# Altium PCB RHX-NYFK-PCB11V1.01.PcbDoc (continued)
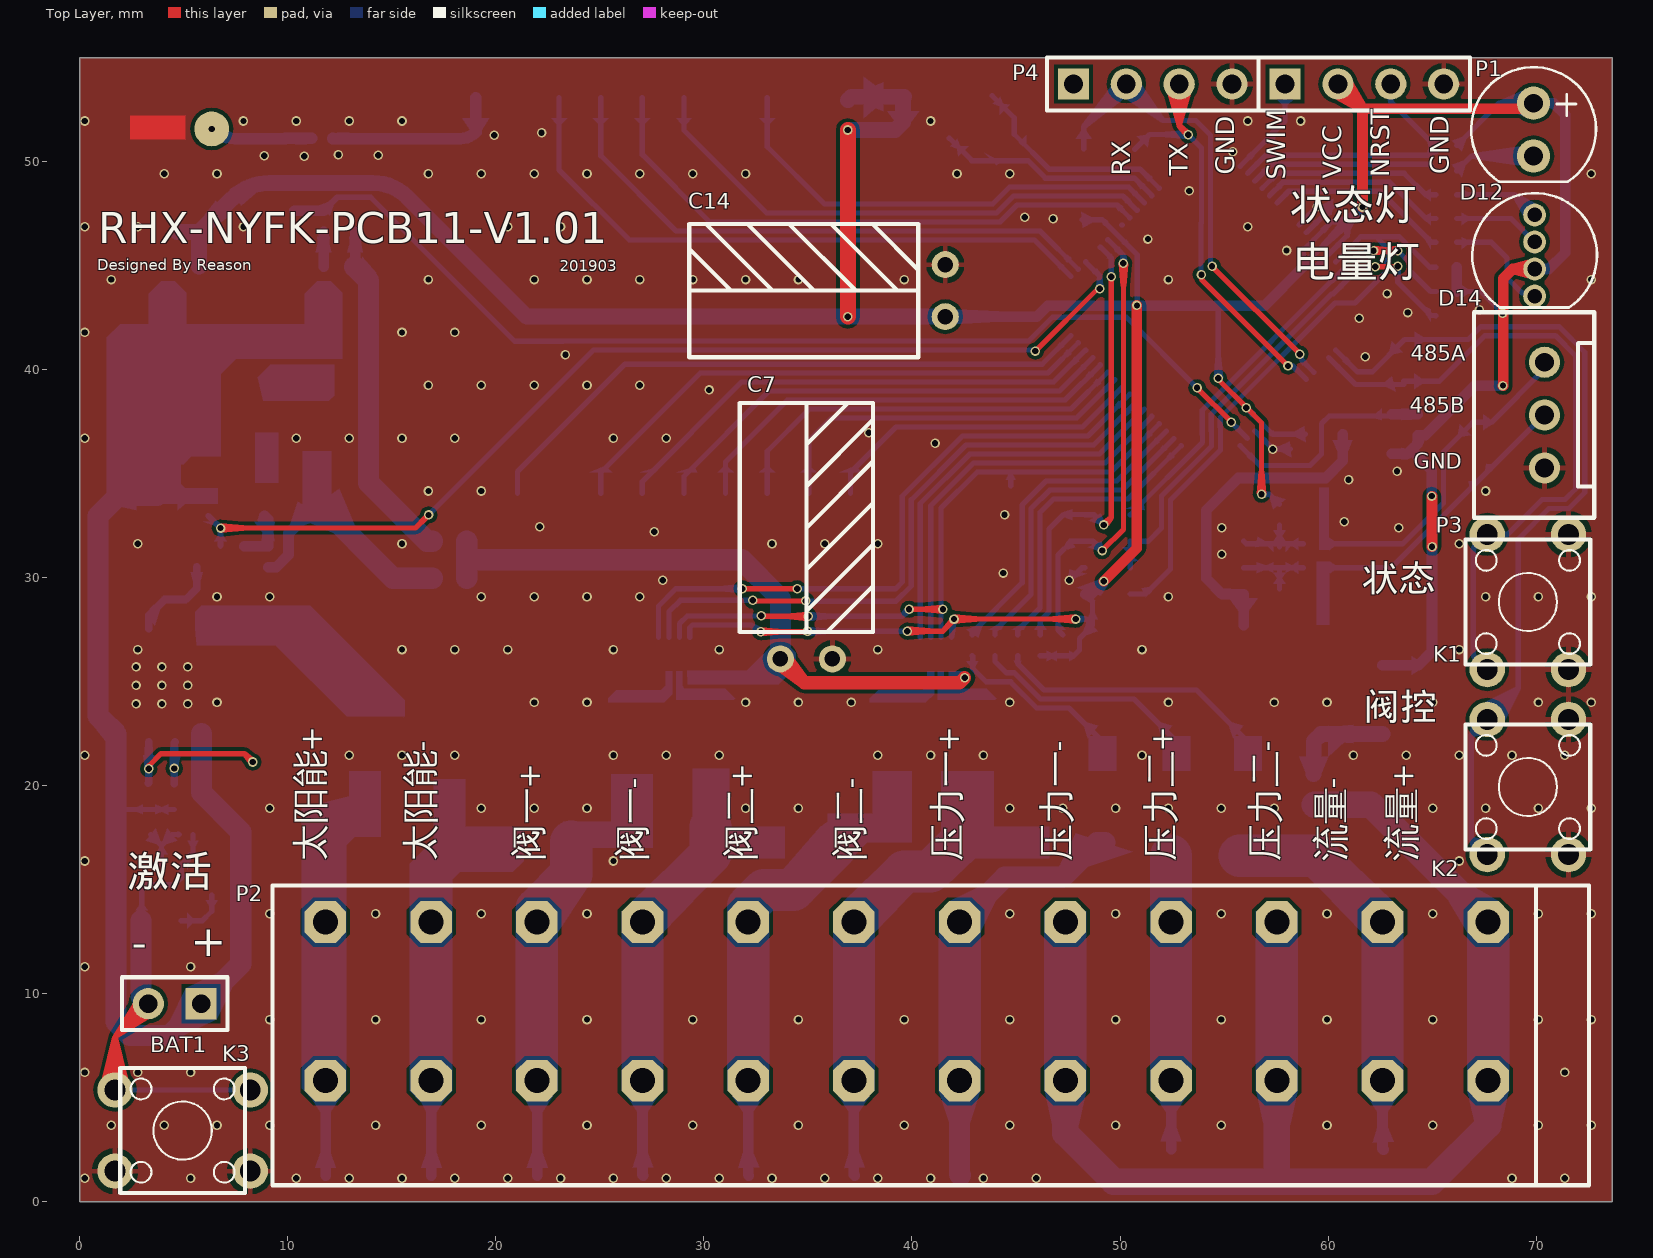
[diagram p0: Top Layer view]
## Footprints (in the part's own frame and the unit in brackets; to place one, negate y for a bottom-side part, rotate by r counter-clockwise, add the part's x,y. Pads: shape width x height; smd on the part's side, far side on the other; paste and mask are expansions set on the pad) (continued)
  rect 1x0.6 smd: 1(-1.35,0.95) 2(-1.35,0) 3(-1.35,-0.95) 4(1.35,-0.95) 5(1.35,0) 6(1.35,0.95)
  silkscreen extent -2.15,-1.5 0.45,2, body extent -1.5,-1.5 1.5,1.5, height 1.3
SOT89_3P_1R5_2R5X4R5 [mm]
  rect 0.75x1.4 smd: 1(-1.5,-2) 2(0,-2) 3(1.5,-2)
  rect 1.8x1.4 smd: 2(0,1.4)
  Top Layer region: -0.9,1.1 -0.9,-0.7 -0.3,-1.3 0.35,-1.3 0.9,-0.75 0.9,1.2
  silkscreen extent -2.3,-1.3 2.3,1.3, body extent -2.35,-2.83 2.35,2.1, height 1.7
TDFN_8P_0R5_2R0X2R0_P [mm]
  rect 0.65x0.25 smd: 1(-0.975,0.75) 2(-0.975,0.25) 3(-0.975,-0.25) 4(-0.975,-0.75) 5(0.975,-0.75) 6(0.975,-0.25) 7(0.975,0.25) 8(0.975,0.75)
  rect 0.6x1.2 smd: 9(0,0)
  silkscreen extent -1.55,-1 1,1.35, body extent -1.08,-1.01 1.02,0.99, height 1.04
TP_D1R25 [mm]
  round 1.25 smd paste-1.25: 1(0,0)
  silkscreen extent -0.8,-0.81 0.81,0.81, body extent -0.8,-0.8 0.8,0.8, height 0.01

## Part data
BAT1: library part BAT
C1 C2 C3 C4 C5 C6 C8 C9 C10 C11 C12 C13 C15 C16 C17: library part 无极性电容, "无极性电容"
C7 C14: library part 极性电容
D1: library part 普通二极管
D2 D3 D4 D5 D6 D7 D8 D9 D10 D11 D13 D15 D16: library part 双向TVS管
D12: library part 单LED
D17 D18: library part 1.2.08.07.0014, "TVS管-SMBJ6.5CA-53.6A-单路-6.5Vrwm-8.3V"
F1 F2 F3 F4 F5 F6 F7 F8 F9 F10: library part PPTC
K1 K2 K3: library part SKRWAEE030
L1: library part 普通电感
P1 P3 P4: library part "Header 4", "Header, 4-Pin"
P2: "Header"
Q1: library part P-MOS, "P-MOS"
R1 R2 R3 R10 R13 R16 R17 R18 R19 R20 R21 R26 R29: library part 1.2.03.01.0573, "电阻-4.7R"
R4 R5 R6 R7 R8 R9 R11 R12 R14 R15 R22 R24 R25 R27 R28 R30 R31 R33 R34 R35 R36: library part 1.2.03.01.0012, "电阻-10K"
R23 R32: library part 1.2.03.01.0366, "电阻-4.7K"
TP1 TP2 TP3 TP4 TP5 TP6 TP7 TP8 TP9 TP10 TP11 TP12 TP13 TP14 TP15 TP16 TP17 TP18 TP19 TP20 TP21 TP22 TP23 TP24 TP25 TP26 TP27 TP28: library part Test_Point
U2: library part SY7152
U7: library part 1.2.18.01.0001, "MCU_STM8L052R8_16MHz_Flash/64Kb_RAM/4Kb_8λ_E2PROM/256B_"
U9: library part 24CXX
U10: library part 1.2.18.09.0173, "RS485收发器-SP3485EN-支持485收发-SOP8"
Y1: library part 两脚晶体谐振器

## Free pads (board coordinates)
  round 1.676 hole 0.3: 2(6.35,51.562)

## Via types
v1: diameter 0.457, hole 0.305, Top Layer to Bottom Layer, tented both sides, 279 vias
v2: diameter 0.457, hole 0.305, Top Layer to Bottom Layer, 9 vias

## Nets (pads, with @x,y where several pads share a name; then routed paths per layer and width w, separated by ;. In a path a pad name is that pad's centre, name@x,y a point inside that pad or via, vN(x,y) a via of type N, cw(c..) or ccw(c..) an arc to the next point about the centre after c; other vN are vias at no path point)
ADC: R24.2 R25.1 U7.31 | length 51.8
  Top Layer w0.254: v1(53.7,39.12) 55.35,37.47 v1(55.35,37.46)
  Bottom Layer w0.254: R24.2 12.378,48.281 13.989,48.281 20.915,41.356 23.237,41.356 23.253,41.371 45.611,41.371 46.75,42.51 50.31,42.51 v1(53.7,39.12) ; v1(55.35,37.46) 55.353,37.46 U7.31
  Bottom Layer w0.508: R25.1 R24.2
CHG: R15.1 TP1.1 U3.7 | length 7.5
  Top Layer w0.254: v1(3.325,20.81) 3.325,20.955 3.91,21.54 7.92,21.54 v1(8.32,21.14)
  Bottom Layer w0.381: 3.3,20.12 3.325,20.145 v1(3.325,20.81) U3.7
CHG_DONE: R14.1 U3.6 | length 2
  Bottom Layer w0.381: R14.1@4.55,20.11 v1(4.55,20.83) 4.55,22.05 U3.6
DIO0: M1.14 U7.50 | length 28
  Bottom Layer w0.254: M1.14 25.043,50.277 28.665,46.655 46.158,46.655 U7.50
DIO1: M1.15 U7.57 | length 28.1
  Bottom Layer w0.254: M1.15 27.043,50.327 30.284,47.086 44.238,47.086 45.054,47.903 49.86,47.903 U7.57
DIO2: M1.16 U7.58 | length 25.6
  Bottom Layer w0.254: M1.16 29.043,51.497 33.022,47.518 44.059,47.518 44.875,48.335 50.135,48.335 U7.58
DIO3: M1.1 U7.41 | length 15.8
  Bottom Layer w0.254: M1.1 37.043,35.043 39.237,37.237 48.187,37.237 U7.41
DIO4: M1.2 U7.42 | length 18.5
  Bottom Layer w0.254: M1.2 35.043,36.583 36.129,37.669 47.912,37.669 U7.42
DIO5: M1.3 U7.43 | length 19.9
  Bottom Layer w0.254: M1.3 33.043,36.073 35.071,38.101 47.636,38.101 U7.43
GND: C1.1 C2.1 C4.1 C5.1 C6.1 C7.2 C8.1 C9.1 C10.2 C11.1 C12.1 C13.1 C14.2 C15.1 C16.1 C17.1 D2.1 D3.1 D4.2 D5.1 D7.1 D8.1 D9.2 D11.1 D13.2 D16.1 D17.2 D18.2 F5.2 K1.1 K1.3 K2.1 K2.3 K3.1 K3.3 M1.8 M1.10 M1.12 M1.19 P1.4 P3.4 P4.4 R3.2 R8.2 R9.2 R11.2 R12.2 R17.2 R23.2 R25.2 R27.2 R34.1 TP23.1 TP24.1 TP25.1 TP26.1 U1.2 U2.2 U3.1 U3.3 U3.9 U4.1 U5.1 U6.4 U6.9 U7.9 U7.10 U7.30 U7.56 U8.4 U8.9 U9.1 U9.2 U9.3 U9.4 U9.7 U10.5 | length 6.8
  Bottom Layer w0.254: v1(47.56,29.87) 48.17,30.48 U9.7 ; U7.56@50.081,46.942 U7.56 ; U7.30 v1(57.343,36.176) C16.1 ; U7.9 v1(59.47,47.814) C15.1@60.177,47.814 ; U7.10 C15.1@60.177,47.814 ; C15.1 C15.1@60.177,47.814
  other v1: 0.254,1.143 5.334,1.143 10.414,1.143 12.954,1.143 15.494,1.143 18.034,1.143 20.574,1.143 23.114,1.143 25.654,1.143 28.194,1.143 30.734,1.143 33.274,1.143 35.814,1.143 38.354,1.143 40.894,1.143 43.434,1.143 45.974,1.143 68.834,1.143 71.374,1.143 1.524,3.683 4.064,3.683 6.604,3.683 9.144,3.683 14.224,3.683 19.304,3.683 24.384,3.683 29.464,3.683 34.544,3.683 39.624,3.683 44.704,3.683 49.784,3.683 54.864,3.683 59.944,3.683 65.024,3.683 70.104,3.683 72.644,3.683 0.254,6.223 2.794,6.223 5.334,6.223 71.374,6.223 9.144,8.763 14.224,8.763 19.304,8.763 24.384,8.763 29.464,8.763 34.544,8.763 39.624,8.763 44.704,8.763 49.784,8.763 54.864,8.763 59.944,8.763 65.024,8.763 70.104,8.763 72.644,8.763 0.254,11.303 5.334,11.303 9.144,13.843 14.224,13.843 19.304,13.843 24.384,13.843 44.704,13.843 49.784,13.843 54.864,13.843 59.944,13.843 65.024,13.843 70.104,13.843 72.644,13.843 0.254,16.383 25.654,16.383 66.294,16.383 9.144,18.923 19.304,18.923 21.844,18.923 24.384,18.923 32.004,18.923 34.544,18.923 44.704,18.923 47.244,18.923 49.784,18.923 52.324,18.923 54.864,18.923 57.404,18.923 65.024,18.923 67.564,18.923 70.104,18.923 72.644,18.923 0.254,21.463 12.954,21.463 15.494,21.463 18.034,21.463 25.654,21.463 28.194,21.463 30.734,21.463 38.354,21.463 40.894,21.463 43.434,21.463 51.054,21.463 61.214,21.463 63.754,21.463 66.294,21.463 68.834,21.463 71.374,21.463 6.604,24.003 21.844,24.003 24.384,24.003 32.004,24.003 34.544,24.003 37.084,24.003 44.704,24.003 52.324,24.003 57.404,24.003 59.944,24.003 62.484,24.003 65.024,24.003 70.104,24.003 72.644,24.003 2.794,26.543 15.494,26.543 18.034,26.543 20.574,26.543 25.654,26.543 30.734,26.543 38.354,26.543 51.054,26.543 66.294,26.543 6.604,29.083 9.144,29.083 19.304,29.083 21.844,29.083 24.384,29.083 26.924,29.083 52.324,29.083 67.564,29.083 70.104,29.083 72.644,29.083 28.02,29.87 44.39,30.22 54.89,31.12 2.794,31.623 15.494,31.623 33.274,31.623 35.814,31.623 38.354,31.623 66.294,31.623 27.61,32.2 54.89,32.39 63.39,32.4 22.11,32.44 60.78,32.69 44.45,33.02 16.764,34.163 19.304,34.163 67.564,34.163 60.98,34.71 63.31,35.12 41.11,36.46 0.254,36.703 10.414,36.703 12.954,36.703 15.494,36.703 18.034,36.703 25.654,36.703 28.194,36.703 37.92,36.96 30.25,39.02 16.764,39.243 19.304,39.243 21.844,39.243 24.384,39.243 26.924,39.243 61.79,40.62 23.35,40.71 0.254,41.783 15.494,41.783 18.034,41.783 61.49,42.47 63.83,42.74 67.27,42.88 62.83,43.65 1.524,44.323 16.764,44.323 21.844,44.323 24.384,44.323 26.924,44.323 29.464,44.323 32.004,44.323 34.544,44.323 39.624,44.323 52.324,44.323 72.644,44.323 58,45.72 51.34,46.27 0.254,46.863 2.794,46.863 7.874,46.863 20.574,46.863 23.114,46.863 56.134,46.863 46.78,47.25 45.42,47.31 53.32,48.58 4.064,49.403 6.604,49.403 16.764,49.403 19.304,49.403 21.844,49.403 24.384,49.403 26.924,49.403 29.464,49.403 32.004,49.403 42.164,49.403 44.704,49.403 72.644,49.403 10.79,50.25 8.88,50.27 14.35,50.3 12.44,50.32 55.42,50.47 19.92,51.25 22.2,51.37 0.254,51.943 7.874,51.943 10.414,51.943 12.954,51.943 15.494,51.943 40.894,51.943 56.134,51.943 58.674,51.943
  other v2: 2.715,23.931 3.96,23.931 5.205,23.931 2.715,24.82 3.96,24.82 5.205,24.82 2.715,25.709 3.96,25.709 5.205,25.709
I2C1_SCL: R30.1 U7.54 U9.6 | length 23.2
  Top Layer w0.254: v1(49.14,31.3) 50.16,32.32 v1(50.16,45.11)
  Bottom Layer w0.254: R30.1 47.02,27.48 47.02,31.09 47.68,31.75 U9.6 48.69,31.75 v1(49.14,31.3) ; 50.117,45.537 49.419,46.235 U7.54 50.16,45.481 v1(50.16,45.11)
I2C1_SDA: R33.1 U7.53 U9.5 | length 22.1
  Top Layer w0.254: v1(49.22,32.53) 49.58,32.89 v1(49.58,44.46)
  Bottom Layer w0.254: R33.1 46.17,27.939 46.588,28.358 46.588,32.328 47.29,33.03 48.308,33.03 U9.5 48.73,33.02 v1(49.22,32.53) ; U7.53 49.58,45.354 v1(49.58,44.46)
KEY1: K1.2 K1.4 TP3.1 U7.20 | length 32.3
  Bottom Layer w0.254: U7.20 61.311,39.28 TP3.1@63.63,39.28 ; TP3.1 65.33,39.43 67.53,41.63 70.919,41.63 71.898,40.651 71.898,34.268 71.38,33.75 70.29,33.75 68.619,32.079 K1.2 66.97,31.403 66.97,26.255 K1.4
KEY2: K2.2 K2.4 TP4.1 U7.19 | length 41.1
  Bottom Layer w0.254: U7.19 61.409,39.889 62.119,39.889 TP4.1 66.729,41.44 67.351,42.062 71.098,42.062 72.33,40.83 72.33,34.089 71.559,33.318 70.598,33.318 69.14,31.86 69.14,24.683 K2.2 66.88,22.423 66.88,17.455 K2.4
LED1: R18.1 U7.3 | length 9.2
  Bottom Layer w0.254: U7.3 57.272,49.858 64.863,49.858 R18.1 ; R18.1@65.176,49.552 R18.1@65.18,49.548
LED2: R19.1 U7.6 | length 8.9
  Bottom Layer w0.254: U7.6 58.098,48.563 62.507,48.563 64.951,46.119 R19.1@65.18,46.119
LED3: R20.1 U7.5 | length 9
  Bottom Layer w0.254: U7.5 57.823,48.995 62.965,48.995 64.698,47.262 R20.1@65.18,47.262
LED4: R21.1 U7.4 | length 9.1
  Bottom Layer w0.254: U7.4 57.547,49.426 63.654,49.426 64.675,48.405 R21.1@65.18,48.405
LORA_RST: M1.18 U7.59 | length 22.3
  Bottom Layer w0.254: M1.18 33.043,50.707 35.8,47.95 43.88,47.95 44.696,48.766 50.41,48.766 U7.59
LSE1: C12.2 U7.60 Y1.2 | length 10.9
  Bottom Layer w0.254: C12.2 42.877,50.036 Y1.2 45.573,50.036 46.411,49.198 50.686,49.198 U7.60
LSE2: C13.2 U7.61 Y1.1 | length 10.3
  Bottom Layer w0.254: C13.2 44.914,52.093 Y1.1 44.914,51.306 46.59,49.63 50.961,49.63 U7.61
MOT-INA-1: U6.6 U7.39 | length 30.4
  Top Layer w0.254: v1(32.35,28.91) 32.38,28.88 v1(34.89,28.88)
  Bottom Layer w0.254: U6.6 28.325,28.365 28.87,28.91 v1(32.35,28.91) ; v1(34.89,28.88) 34.9,28.87 39.23,28.87 39.966,29.606 39.966,33.738 42.602,36.374 48.737,36.374 U7.39
MOT-INA-2: U6.5 U7.40 | length 30.8
  Top Layer w0.254: v1(31.84,29.47) 34.47,29.47 v1(34.48,29.46)
  Bottom Layer w0.254: U6.5 27.825,28.625 28.67,29.47 v1(31.84,29.47) ; v1@34.48,29.46 39.21,29.46 39.534,29.785 39.534,33.916 42.424,36.806 48.462,36.806 U7.40
MOT-INB-1: U7.37 U8.6 | length 18.7
  Bottom Layer w0.254: U8.6 40.898,33.448 42.96,35.51 49.288,35.51 U7.37
MOT-INB-2: U7.38 U8.5 | length 19.1
  Bottom Layer w0.254: U8.5 40.398,33.559 42.781,35.942 49.013,35.942 U7.38
MOT-OUT-A-1: D9.1 D10.2 F7.1 P2.4 TP16.1 | length 10.5
  Bottom Layer w0.508: P2.4@27.051,5.831 27.051,1.299 TP16.1
  Bottom Layer w2.032: P2.4@27.051,13.451 30.321,16.721 D10.2
MOT-OUT-A-2: D10.1 D11.2 F8.1 P2.3 TP15.1 | length 9.1
  Bottom Layer w0.508: P2.3@21.971,5.831 21.993,5.809 TP15.1
  Bottom Layer w2.032: P2.3@21.971,13.451 21.971,14.097 23.622,15.748 D11.2
MOT-OUT-B-1: D13.1 D15.2 F9.1 P2.6 TP18.1 | length 11.8
  Bottom Layer w0.508: P2.6@37.211,5.831 37.211,1.312 TP18.1
  Bottom Layer w2.032: P2.6@37.211,13.451 39.635,15.875 40.894,15.875 D15.2@42.672,17.653
MOT-OUT-B-2: D15.1 D16.2 F10.1 P2.5 TP17.1 | length 11
  Bottom Layer w0.508: P2.5@32.131,5.831 32.131,1.306 TP17.1
  Bottom Layer w2.032: P2.5@32.131,13.451 32.131,14.224 32.893,14.986 34.29,14.986 36.322,17.018 D16.2
MOT-SLEEP: R34.2 U6.7 U7.36 U8.7 | length 32.8
  Top Layer w0.254: v1(32.76,28.16) 32.78,28.14 v1(35.02,28.14) ; v1(39.86,28.48) v1(41.49,28.48)
  Bottom Layer w0.254: U6.7 28.83,27.142 28.83,27.79 29.2,28.16 v1(32.76,28.16) ; v1(35.02,28.14) 39.52,28.14 v1(39.86,28.48) ; U8.7 v1@41.398,28.48 ; v1(41.49,28.48) v1@41.398,28.48 ; R34.2 44.75,35.058 44.73,35.078 ; U7.36 49.563,35.078 44.73,35.078 ; v1@41.398,28.48 41.398,33.337 43.139,35.078 44.73,35.078
MOTA-1: F7.2 U6.2
MOTA-2: F8.2 U6.3
MOTB-1: F9.2 U8.2
MOTB-2: F10.2 U8.3
NetC3_2: C3.2 R2.2 U1.5 | length 2.7
  Bottom Layer w0.254: R2.2 3.937,17.137 ; U1.5 3.937,17.137 ; 4.793,17.652 C3.2 3.937,17.137
NetC10_1: C10.1 Q1.3 U10.8 | length 15.7
  Bottom Layer w0.254: C10.1@55.938,27.712 C10.1
  Bottom Layer w0.508: C10.1@55.938,27.712 U10.8 54.9,29.21 54.14,29.97 54.14,33.24 55.687,34.787 59.877,34.787 60.7,35.61 60.7,36.895 Q1.3
NetD1_1: D1.1 L1.2 U2.1
NetD2_2: D2.2 F1.2 R1.2 | length 5
  Bottom Layer w0.762: R1.2 59.309,20.589 D2.2 59.659,22.48 F1.2
NetD3_2: D3.2 F2.2 R10.2 | length 8.3
  Bottom Layer w0.254: R10.2 42.92,26.22 42.92,25.64 43.569,24.991 44.74,24.991 45.995,23.736 47.543,23.736 D3.2
NetD5_2: D5.2 F3.2 R13.2 | length 10.6
  Bottom Layer w0.254: R13.2 43.99,25.972 44.54,25.422 44.919,25.422 46.173,24.168 50.667,24.168 D5.2
NetD8_2: D8.2 F6.2 R16.2 | length 13
  Bottom Layer w0.254: R16.2 45.08,25.872 46.352,24.6 53.664,24.6 D8.2
NetD12_2: D12.2 R18.2 | length 4
  Bottom Layer w0.254: R18.2@66.18,49.548 66.892,50.26 D12.2
NetD14_1: D14.1 R19.2 | length 5.4
  Bottom Layer w0.254: R19.2@66.18,46.119 67.831,46.119 68.59,45.36 68.59,44.41 69.32,43.68 69.77,43.68 D14.1
NetD14_3: D14.3 R20.2 | length 4.5
  Bottom Layer w0.254: R20.2@66.18,47.262 68.788,47.262 D14.3 ; D14.3@69.681,45.891 D14.3@69.869,45.703
NetD14_4: D14.4 R21.2 | length 4.1
  Bottom Layer w0.254: R21.2@66.18,48.405 68.945,48.405 D14.4
NetM1_11: M1.11 R4.1 R9.1 | length 8.6
  Bottom Layer w0.559: R4.1 12.165,51.099 R9.1 18.298,51.099 ccw(c18.298,52.162) 19.05,51.41 19.043,51.417 M1.11
NetR3_1: R3.1 U1.1 | length 2.4
  Bottom Layer w0.254: U1.1 5.889,13.509 6.35,13.97 R3.1
NetR4_2: pad.2 R4.2 R8.1 | length 4.9
  Bottom Layer w0.559: pad.2 ccw(c7.469,52.681) 6.358,51.554 ccw(c7.469,52.681) 7.469,51.099 R8.1 9.887,51.107 R4.2
NetR5_2: R5.2 R12.1 U2.3 | length 3
  Bottom Layer w0.254: U2.3@8.679,32.765 U2.3
  Bottom Layer w0.508: R12.1 R5.2 9.06,32.798 U2.3
NetR17_1: R17.1 U3.2 | length 4.5
  Bottom Layer w0.381: U3.2 3.325,28.185 4.081,28.941 5.099,28.941 5.631,29.473 R17.1
NetR23_1: R23.1 R26.1 R28.2 U10.7 | length 3.9
  Bottom Layer w0.254: U10.7 R28.2@57.658,30.48 ; R23.1 R28.2@57.658,30.48 ; R28.2 R28.2@57.658,30.48 ; R26.1 R28.2@57.658,30.48
NetR28_1: R28.1 R29.1 R32.2 U10.6 | length 4
  Bottom Layer w0.254: U10.6 56.065,31.623 R28.1@57.658,31.623 ; R28.1 R28.1@57.658,31.623 ; R32.2 R28.1@57.658,31.623 ; R29.1 R28.1@57.658,31.623
NRST: P1.3 R36.1 TP22.1 U7.2 | length 13.5
  Bottom Layer w0.254: U7.2 56.997,50.29 64.78,50.29 R36.1 63.01,52.86 P1.3
PWR: C7.1 R6.1 R7.1 TP10.1 U6.1 U8.1 | length 30
  Top Layer w0.635: C7.1 34.82,24.948 42.288,24.948 v1(42.53,25.19)
  Bottom Layer w1.016: R7.1 18.605,30.861 ; R6.1 18.605,30.861 ; C7.1 33.675,28.972 33.566,29.081 33.566,29.114 31.819,30.861 18.605,30.861
PWR9V_EN: R11.1 U2.4 U7.51 | length 50.5
  Top Layer w0.254: v1(6.774,32.384) 16.144,32.384 v1(16.77,33.01) ; v1(45.93,40.89) 45.94,40.89 48.93,43.88 v1(49.02,43.88)
  Bottom Layer w0.254: U2.4 v1(6.774,32.384) R11.1 ; v1(16.77,33.01) 24.699,40.939 46.009,40.939 45.96,40.89 v1(45.93,40.89) ; U7.51 49.02,44.5 v1(49.02,43.88)
PWR+3V0: C9.2 R6.2 TP6.1 U5.3 | length 16.6
  Bottom Layer w0.508: U5.3 13.251,44.963 C9.2
  Bottom Layer w1.016: U5.3 13.886,44.28 13.886,34.557 16.693,31.75 R6.2
PWR+9V0: C2.2 D1.2 R5.1 R7.2 TP5.1 | length 11.3
  Bottom Layer w0.508: R5.1 9.449,30.501 10.041,31.093 10.041,32.131 C2.2
  Bottom Layer w1.016: C2.2 15.064,29.972 R7.2
PWR_SUN+: D4.1 D6.2 F4.1 P2.1 TP8.1 | length 4.6
  Bottom Layer w0.508: P2.1@11.811,5.831 11.82,5.822 TP8.1
PWR_SUN-: D6.1 D7.2 F5.1 P2.2 TP9.1 | length 4.6
  Bottom Layer w0.508: P2.2@16.891,5.831 16.907,5.815 TP9.1
RS485_A: D18.1 P3.2 R29.2 TP27.1 | length 15.5
  Bottom Layer w0.254: R29.2 63.573,31.623 65.539,33.589 65.539,36.049 TP27.1 67.84,37.46 P3.2@70.4,40.02
RS485_B: D17.1 P3.3 R26.2 TP28.1 | length 13.5
  Bottom Layer w0.254: R26.2 63.041,30.48 70.041,37.48 P3.3@70.4,37.48
RS485_EN: R27.1 U7.16 U10.2 U10.3 | length 24.7
  Top Layer w0.254: v1(62.27,44.94) 63.32,44.94 v1(63.34,44.96)
  Bottom Layer w0.254: U10.2 U10.3 51.36,31.75 51.994,32.384 51.994,33.916 54.392,36.313 54.392,37.053 54.385,37.06 54.385,37.86 60.157,43.632 60.238,43.632 U7.16 61.546,44.94 v1(62.27,44.94) ; v1(63.34,44.96) 63.34,44.21 64.95,42.6 65.162,42.6 R27.1
RS485_POWER_EN: Q1.1 R35.2 U7.32 | length 10.8
  Bottom Layer w0.254: U7.32 56.716,35.39 59.13,35.39 59.68,35.94 59.68,37.4 60.05,37.77 62.965,37.77 Q1.1
  Bottom Layer w0.508: Q1.1 R35.2@64.3,37.85
RXEN: M1.9 U7.48 | length 30.3
  Bottom Layer w0.254: M1.9 21.043,35.093 26.21,40.26 46.26,40.26 U7.48
S1: R10.1 U7.35 | length 15.7
  Bottom Layer w0.254: R10.1 42.9,27.36 45.293,29.753 45.293,33.494 46.445,34.647 49.839,34.647 U7.35
S2: R13.1 U7.34 | length 15.1
  Bottom Layer w0.254: R13.1 43.99,27.452 45.725,29.186 45.725,33.315 46.624,34.215 50.114,34.215 U7.34
S3: R16.1 U7.33 | length 14.5
  Bottom Layer w0.254: R16.1 45.08,27.46 46.156,28.536 46.156,33.136 46.803,33.783 50.389,33.783 U7.33
S-IN1: F2.1 P2.7 TP11.1 | length 13.1
  Bottom Layer w1.016: P2.7@42.291,5.831 42.291,1.329 TP11.1 ; P2.7@42.291,13.451 44.461,15.621 47.244,15.621 48.896,17.273 F2.1
S-IN2: F3.1 P2.9 TP12.1 | length 6.5
  Bottom Layer w0.508: TP12.1 TP12.1 P2.9@52.451,5.831
  Bottom Layer w2.032: P2.9@52.451,13.451 52.451,16.637
S-IN3: F6.1 P2.11 TP13.1 | length 11.5
  Bottom Layer w0.508: P2.11@62.611,5.831 62.611,2.549 TP13.1
  Bottom Layer w2.032: 55.753,16.637 59.425,16.637 P2.11@62.611,13.451
SPI_CS: M1.7 U7.47 | length 26.5
  Bottom Layer w0.254: M1.7 25.043,35.043 29.828,39.828 46.535,39.828 U7.47
SPI_MISO: M1.5 U7.45 | length 22.8
  Bottom Layer w0.254: M1.5 29.043,34.873 33.135,38.965 47.086,38.965 U7.45
SPI_MOSI: M1.6 U7.46 | length 24.5
  Bottom Layer w0.254: M1.6 27.043,34.623 31.816,39.396 46.81,39.396 U7.46
SPI_SCK: M1.4 U7.44 | length 21.4
  Bottom Layer w0.254: M1.4 31.043,35.563 34.013,38.533 47.361,38.533 U7.44
SUN-IN: C5.2 F4.2 U3.4
SWIM: P1.1 TP14.1 U7.1 | length 4.8
  Bottom Layer w0.254: U7.1 57.93,51.93 P1.1
TXEN: M1.13 U7.49 | length 30.2
  Bottom Layer w0.254: M1.13 23.043,49.597 26.417,46.223 45.883,46.223 U7.49
UART2_RX: P4.2 TP20.1 U7.22 | length 22.5
  Top Layer w0.254: v1(54.42,44.96) v1(58.64,40.74)
  Bottom Layer w0.254: TP20.1 48.25,51.67 P4.2 52.055,51.965 53.635,51.965 54.342,51.258 54.342,45.038 v1(54.42,44.96) ; v1(58.64,40.74) 58.67,40.74 58.72,40.69 58.72,40.457 U7.22
UART2_TX: P4.3 TP21.1 U7.23 | length 19.8
  Top Layer w0.254: P4.3 52.84,51.72 v1(53.27,51.29) ; v1(53.91,44.56) 53.91,44.33 v1(58.07,40.17)
  Bottom Layer w0.254: TP21.1 51.41,51.29 v1(53.27,51.29) 53.91,50.65 53.91,47.05 53.887,47.027 53.887,44.583 v1(53.91,44.56) ; v1(58.07,40.17) 58.07,40.19 58.28,40.19 U7.23
UART3_RX: R22.1 U7.14 U10.1 | length 29.4
  Bottom Layer w0.254: U10.1 51.23,29.21 52.426,30.406 52.426,33.737 54.824,36.134 54.824,37.232 54.817,37.239 54.817,37.681 60.336,43.2 61.285,43.2 62.803,44.719 62.803,45.867 62.29,46.38 ; U7.14 61.572,46.38 62.29,46.38 ; R22.1 64.895,44.909 63.424,46.38 62.29,46.38
UART3_TX: R31.2 U7.15 U10.4 | length 21.9
  Top Layer w0.254: v1(62.18,45.71) v1(63.34,45.71)
  Bottom Layer w0.254: U10.4 53.96,36.492 53.96,36.874 53.953,36.881 53.953,38.054 U7.15 61.609,45.71 v1(62.18,45.71) ; v1(63.34,45.71) 63.344,45.71 63.91,45.144 63.91,44.76 64.92,43.75 R31.2
VB-S2: BAT1.2 C3.1 K3.2 K3.4 U1.3 U1.6 | length 21.4
  Top Layer w0.254: K3.4 1.703,7.926 BAT1.2
  Bottom Layer w0.254: K3.4 K3.2 ; U1.3 2.987,15.052 3.175,15.24 4.572,15.24 4.887,15.555 U1.6 5.453,16.775 C3.1
  Bottom Layer w1.016: U1.3@2.951,13.509 2.951,9.876 BAT1.2
VBAT+4V2: BAT1.1 C1.2 C8.2 L1.1 R2.1 R14.2 R15.2 R24.1 TP2.1 U2.5 U3.5 U3.8 U4.2 U5.2 | length 54.4
  Bottom Layer w0.254: 1.757,18.81 1.807,18.86 R14.2
  Bottom Layer w0.508: C1.2 3.748,33.922 U2.5 ; U5.2@11.727,44.939 R24.1
  Bottom Layer w1.016: C1.2 1.864,33.944 0.889,32.969 0.889,23.361 1.757,22.493 1.757,18.81 1.757,8.657 2.413,8.001 4.318,8.001 BAT1.1 7.747,11.43 7.747,17.78 5.86,19.667 U3.5@5.86,22.5
VCC+3V0: C4.2 C6.2 C11.2 C14.1 C15.2 C16.2 C17.2 D12.1 D14.2 F1.1 M1.20 P1.2 Q1.2 R22.2 R30.2 R31.1 R32.1 R33.2 R35.1 R36.2 TP7.1 U4.3 U6.8 U7.11 U7.12 U7.13 U7.29 U7.55 U8.8 U9.8 | length 205.6
  Top Layer w0.254: v1(32.74,27.4) 34.96,27.4 v1(34.98,27.42) ; v1(39.78,27.43) 41.49,27.43 42.02,27.96 v1(42.02,28.01) v1(47.87,28.01) ; v1(54.72,39.58) 54.72,39.52 v1(56.07,38.17) 56.8,37.44 v1(56.8,34.01)
  Top Layer w0.508: v1(49.22,29.82) 50.81,31.41 v1(50.81,43.08) ; P1.2 61.65,52.54 ; v1(61.65,47.81) 61.65,52.54 ; v1(64.98,33.92) 64.99,33.91 v1(64.99,31.48) ; v1(68.4,39.23) 68.41,39.23 68.41,44.375 68.865,44.83 D14.2 ; D12.1 69.607,52.538 61.652,52.538 61.65,52.54
  Top Layer w0.762: v1(36.92,42.54) v1(36.92,51.51)
  Bottom Layer w0.254: U6.8 29.325,27.593 29.46,27.728 32.282,27.728 32.61,27.4 v1(32.74,27.4) ; v1(34.98,27.42) 39.77,27.42 v1(39.78,27.43) ; U8.8 41.898,27.888 v1(42.02,28.01) ; R33.2 R30.2 47.77,26.24 48.05,26.52 48.05,27.08 C11.2 ; v1(47.87,28.01) 48.38,28.01 C11.2 ; C17.2 49.155,47.194 U7.55 50.82,45.528 v1@50.82,43.08 ; U9.8 48.68,28.848 C11.2 ; v1(54.72,39.58) 54.72,43.009 54.78,43.069 ; v1(56.07,38.17) 56.07,38.157 U7.29 57.337,36.89 58.887,36.89 C16.2 ; v1(56.8,34.01) 57.168,34.01 R32.1 ; 58.785,44.915 58.785,45.714 U7.11 60.177,47.106 C15.2 ; U7.12 59.689,45.881 C15.2 ; U7.13 60.914,46.429 C15.2 ; R36.2@66.18,50.77 68.21,52.8 D12.1 ; R31.1 67.34,43.75 v1(68.38,42.71)
  Bottom Layer w0.508: C14.1 45.99,42.54 46.519,43.069 v1@50.81,43.069 ; U9.8 48.61,29.21 v1(49.22,29.82) ; v1@50.82,43.069 54.78,43.069 56.939,43.069 58.785,44.915 ; C15.2 61.617,47.81 v1(61.65,47.81) ; F1.1 64.32,25.78 64.99,26.45 v1(64.99,31.48) ; Q1.2 63.82,35.95 64.005,36.135 ; v1(64.98,33.92) 64.98,35.16 64.005,36.135 ; R22.2 66.172,43.768 R31.1 ; v1(68.4,39.23) 67.05,39.23 64.665,36.845 64.305,36.845 64.305,36.435 64.005,36.135 ; D12.1 70.83,52.8 71.39,52.24 71.39,45.62 70.6,44.83 D14.2
  Bottom Layer w0.762: C6.2 5.729,46.611 7.341,48.223 cw(c9.137,46.427) 9.137,48.967 14.09,48.967 cw(c14.09,46.617) 15.751,48.279 21.49,42.54 v1(36.92,42.54) C14.1 ; U4.3 5.734,46.606 ; v1(36.92,51.51) 39.19,51.51 39.577,51.897 39.577,53.061 C4.2 37.09,53.108 M1.20 M1.20@36.92,52.938
VOUT+3V0: P2.8 P2.10 P2.12 R1.1 TP19.1 | length 42.6
  Bottom Layer w1.27: P2.8@47.371,5.831 47.371,3.302 49.693,0.98 57.531,0.98 ; P2.10@57.531,5.831 57.531,0.98 ; 59.35,19.09 62.052,19.09 P2.12@67.691,13.451 ; P2.12@67.691,5.831 67.691,3.683 64.988,0.98 57.531,0.98
pads on no net: Designator90.1 Designator91.1 M1.17 P4.1 U1.4 U2.6 U7.7 U7.8 U7.17 U7.18 U7.21 U7.24 U7.25 U7.26 U7.27 U7.28 U7.52 U7.62 U7.63 U7.64

## Polygon pours and split planes (outlines as drawn)
GND on Top Layer "Mechanical 1-No Net" (solid, remove dead copper, pour order 2): 0,0 73.66,0 73.66,54.991 0,54.991
GND on Bottom Layer "Mechanical 1-No Net" (solid, remove dead copper, pour order 1): 0,0 73.66,0 73.66,54.991 0,54.991

## Other copper
Top Layer:
  rectangle net GND: 2.413,51.054 5.08,52.197
Bottom Layer:
  rectangle net PWR+9V0: 10.711,33.414 12.108,36.081
  rectangle net NetD1_1: 8.425,34.557 9.568,36.97
  rectangle net VBAT+4V2: 3.853,33.541 6.647,34.303
  rectangle net PWR_SUN+: 12.954,17.526 14.478,20.701
  rectangle net PWR_SUN-: 17.018,17.399 18.542,20.32
  rectangle net MOT-OUT-A-2: 20.955,5.334 22.987,13.97
  rectangle net MOT-OUT-A-1: 26.035,5.334 28.067,13.97
  rectangle net MOT-OUT-B-2: 31.115,5.334 33.147,13.97
  rectangle net MOT-OUT-B-1: 36.195,5.334 38.227,13.97
  rectangle net S-IN1: 41.275,5.334 43.307,13.97
  rectangle net VOUT+3V0: 46.355,5.334 48.387,13.97
  rectangle net S-IN2: 51.435,5.334 53.467,13.97
  rectangle net VOUT+3V0: 56.515,5.334 58.547,13.97
  rectangle net VOUT+3V0: 66.675,5.334 68.707,13.97
  rectangle net S-IN3: 61.595,5.334 63.627,13.97
  rectangle net MOT-OUT-B-1: 41.91,16.51 46.609,18.034
  rectangle net MOT-OUT-B-1: 41.402,17.526 43.942,20.701
  rectangle net MOT-OUT-B-2: 35.941,17.272 40.005,18.669
  rectangle net MOT-OUT-B-2: 38.1,18.288 40.005,20.701
  rectangle net MOT-OUT-A-1: 30.353,16.51 33.909,18.034
  rectangle net MOT-OUT-A-1: 29.464,17.272 31.242,20.828
  rectangle net MOT-OUT-A-2: 25.527,17.399 27.559,20.574
  rectangle net MOT-OUT-A-2: 23.241,17.018 27.559,18.288
  rectangle net NetD3_2: 48.48,20.7 49.83,22.38
  rectangle net NetD5_2: 52.036,20.7 53.386,22.38
  rectangle net NetD8_2: 55.465,20.7 56.815,22.38
  rectangle net RS485_B: 59.44,27.73 60.06,30.78
  rectangle net RS485_A: 59.56,31.32 60.05,34.34
  region net PWR: 41.77,25.51 42.53,25.51 42.76,25.28 42.76,25.1 42.52,24.86 41.77,24.86
  region net VBAT+4V2: 12.616,42.177 1.948,42.177 1.313,41.542 1.313,34.049 4.615,34.049 4.869,34.303 4.869,35.446 4.996,35.446 5.377,35.827 6.774,35.827 6.774,39.764 7.536,40.526 12.616,40.526
  region net NetD1_1: 8.552,39.637 9.156,40.241 12.235,40.241 12.235,38.748 11.981,38.494 8.829,38.494
  region net PWR_SUN+: 10.668,18.923 13.716,19.685 14.478,18.796 12.827,17.145 12.827,5.334 12.319,4.826 11.303,4.826 10.668,5.461
  region net PWR_SUN-: 21.336,18.034 21.336,16.383 20.828,15.875 18.288,15.875 17.907,15.494 17.907,5.334 17.399,4.826 16.383,4.826 15.875,5.334 15.875,16.256 17.018,17.399 17.399,18.034
  region net MOT-OUT-B-2: 36.83,16.256 38.354,17.78 38.354,18.161 36.703,18.161
  region net MOTA-2: 28.49,25.5 28.49,24.39 28.1,24 25.4,24 25.4,24.2 25.8,24.6 28.17,24.6 28.17,25.5
  region net MOTA-1: 28.67,25.51 28.95,25.51 28.95,24.8 29.09,24.66 31.03,24.66 31.5,24.19 31.44,24.13 28.67,24.13
  region net MOTA-2: 27.91,24.57 28.21,24.87 28.21,24.55
  region net MOTB-2: 40.483,24.57 40.783,24.87 40.783,24.55
  region net MOTB-1: 41.243,25.51 41.523,25.51 41.523,24.8 41.663,24.66 43.603,24.66 44.073,24.19 44.013,24.13 41.243,24.13
  region net MOTB-2: 41.063,25.5 41.063,24.39 40.673,24 37.973,24 37.973,24.2 38.373,24.6 40.743,24.6 40.743,25.5
  region net PWR: 29.21,25.52 32.06,25.52 33.32,26.78 34.04,26.78 34.42,26.4 34.42,25.69 33.61,24.88 29.22,24.88
  region net SUN-IN: 5.56,27.54 5.55,27.55 5.55,28.36 5.85,28.66 11.08,28.66 15.63,24.11 15.63,23.34 15.59,23.3 15.56,23.33 12.83,23.33 9.41,26.75 5.63,26.75
  region net VCC+3V0: 59.34,45.76 59.31,45.76 58.46,44.91 58.64,44.73 58.72,44.73 59.63,45.64
  region net VCC+3V0: 58.785,44.915 58.87,44.83 59.52,44.83 59.85,45.16 59.65,45.36 59.64,45.36 59.36,45.08 58.88,45.08
  pour cut-out: 6.774,35.646 6.778,35.65 8.38,35.65 8.38,36.01 8.32,36.07

## Silkscreen, mask and mechanical layers (free items; w line width, h text height)
Top Overlay:
  lines w0.2: 72.79,41.28 72.03,41.28 72,41.25 72,34.39 72.01,34.38 72.8,34.38 ; 67,42.75 67.01,42.74 67.01,32.88 72.77,32.88 72.79,32.9 72.79,42.75 67,42.75
  text "GND" at 66.11,49.38 h1.52 r90
  text "GND" at 55.81,49.36 h1.52 r90
  text "RX" at 50.81,49.3 h1.52 r90
  text "TX" at 53.56,49.3 h1.52 r90
  text "NRST" at 63.24,49.25 h1.52 r90
  text "VCC" at 60.94,49.17 h1.52 r90
  text "SWIM" at 58.26,49.13 h1.52 r90
  text "状态灯" at 58.15,46.69 h2.54
  text "RHX-NYFK-PCB11-V1.01" at 0.89,45.56 h2.54
  text "Designed By Reason" at 0.84,44.57 h0.89
  text "201903" at 23.07,44.53 h0.89
  text "电量灯" at 58.33,43.96 h2.54
  text "485A" at 63.97,40.16 h1.27
  text "485B" at 63.92,37.67 h1.27
  text "GND" at 64.12,34.96 h1.27
  text "状态" at 61.62,28.92 h2.24
  text "阀控" at 61.68,22.75 h2.24
  text "太阳能+" at 12.15,16.371 h2.24 r90
  text "太阳能-" at 17.43,16.371 h2.24 r90
  text "阀一+" at 22.61,16.372 h2.24 r90
  text "阀一-" at 27.6,16.372 h2.24 r90
  text "阀二+" at 32.8,16.372 h2.24 r90
  text "阀二-" at 38.04,16.372 h2.24 r90
  text "压力一+" at 42.76,16.372 h2.24 r90
  text "压力一-" at 48.02,16.372 h2.24 r90
  text "压力二+" at 53.01,16.372 h2.24 r90
  text "压力二-" at 58.04,16.372 h2.24 r90
  text "流量-" at 61.19,16.372 h2.24 r90
  text "流量+" at 64.6,16.372 h2.24 r90
  text "激活" at 2.28,14.66 h2.54
  text "+" at 5.334,11.303 h2.54
  text "-" at 2.5,11.26 h2.54
Bottom Overlay:
  lines w0.2: 9.98,28.89 9.98,32.06 9.83,32.21 5.11,32.21 4.96,32.06 4.96,29.82 5.25,29.53 9.31,29.53 10.16,28.68 10.16,28.48 ; 41.2,28.2 41.66,28.2 42.402,27.458 42.402,25.793 42.412,25.782 47.862,25.782 47.97,25.89 47.97,27.72 47.89,27.72 42.31,27.72 41.83,28.2 41.43,28.2 ; 64.99,31.48 60.64,31.48 60.5,31.62 ; 60.5,31.62 60.47,31.59 60.47,30.272 60.228,30.03 58.156,30.03 58.156,27.998 57.17,27.998 57.16,28.009 57.16,33.96 58.146,33.96 58.159,33.947 58.159,32.961 58.159,32.471 58.375,32.255 60.132,32.255 60.5,31.887 60.5,31.62 ; 9.9,25.98 9.9,28.28 10.22,28.6 14.14,28.6 14.71,28.03 14.71,26.16 14.38,25.83 10.05,25.83 9.9,25.98 ; 35.48,28.37 35.84,28.01 40.89,28.01 41.35,28.47 41.35,30.74 41.19,30.9 35.8,30.9 35.48,30.58 35.48,28.37 ; 65,25.21 65.42,24.79 66.39,24.79 66.56,24.96 66.56,27.09 66.82,27.35 68.93,27.35 69.52,27.94 69.52,29.37 69.52,29.78 69.13,30.17 66.8,30.17 66.41,30.56 66.41,32.18 66.24,32.35 65.3,32.35 65,32.05 65,25.21
Top Solder:
  rectangle: 0.41,50.42 3.97,52.97
  region: 12.29,52.704 8.73,52.704 8.73,50.154 12.29,50.154
Mechanical 1:
  the board outline again, w0.1
Mechanical 2:
  circle w0.1: c12.827,13.451 r3
  circle w0.1: c50.038,53.594 r3
  circle w0.1: c59.055,53.086 r3
  circle w0.1: c3.302,9.525 r3
  circle w0.1: c69.869,47.003 r3
  circle w0.1: c41.598,42.057 r3
  circle w0.1: c55.38,53.72 r3
  circle w0.1: c47.76,53.72 r3
  circle w0.1: c61.595,53.086 r3
  circle w0.1: c64.135,53.086 r3
  circle w0.1: c33.675,26.093 r3
  circle w0.1: c36.175,26.093 r3